# KiCad board ClockIOT.kicad_pcb (continued)
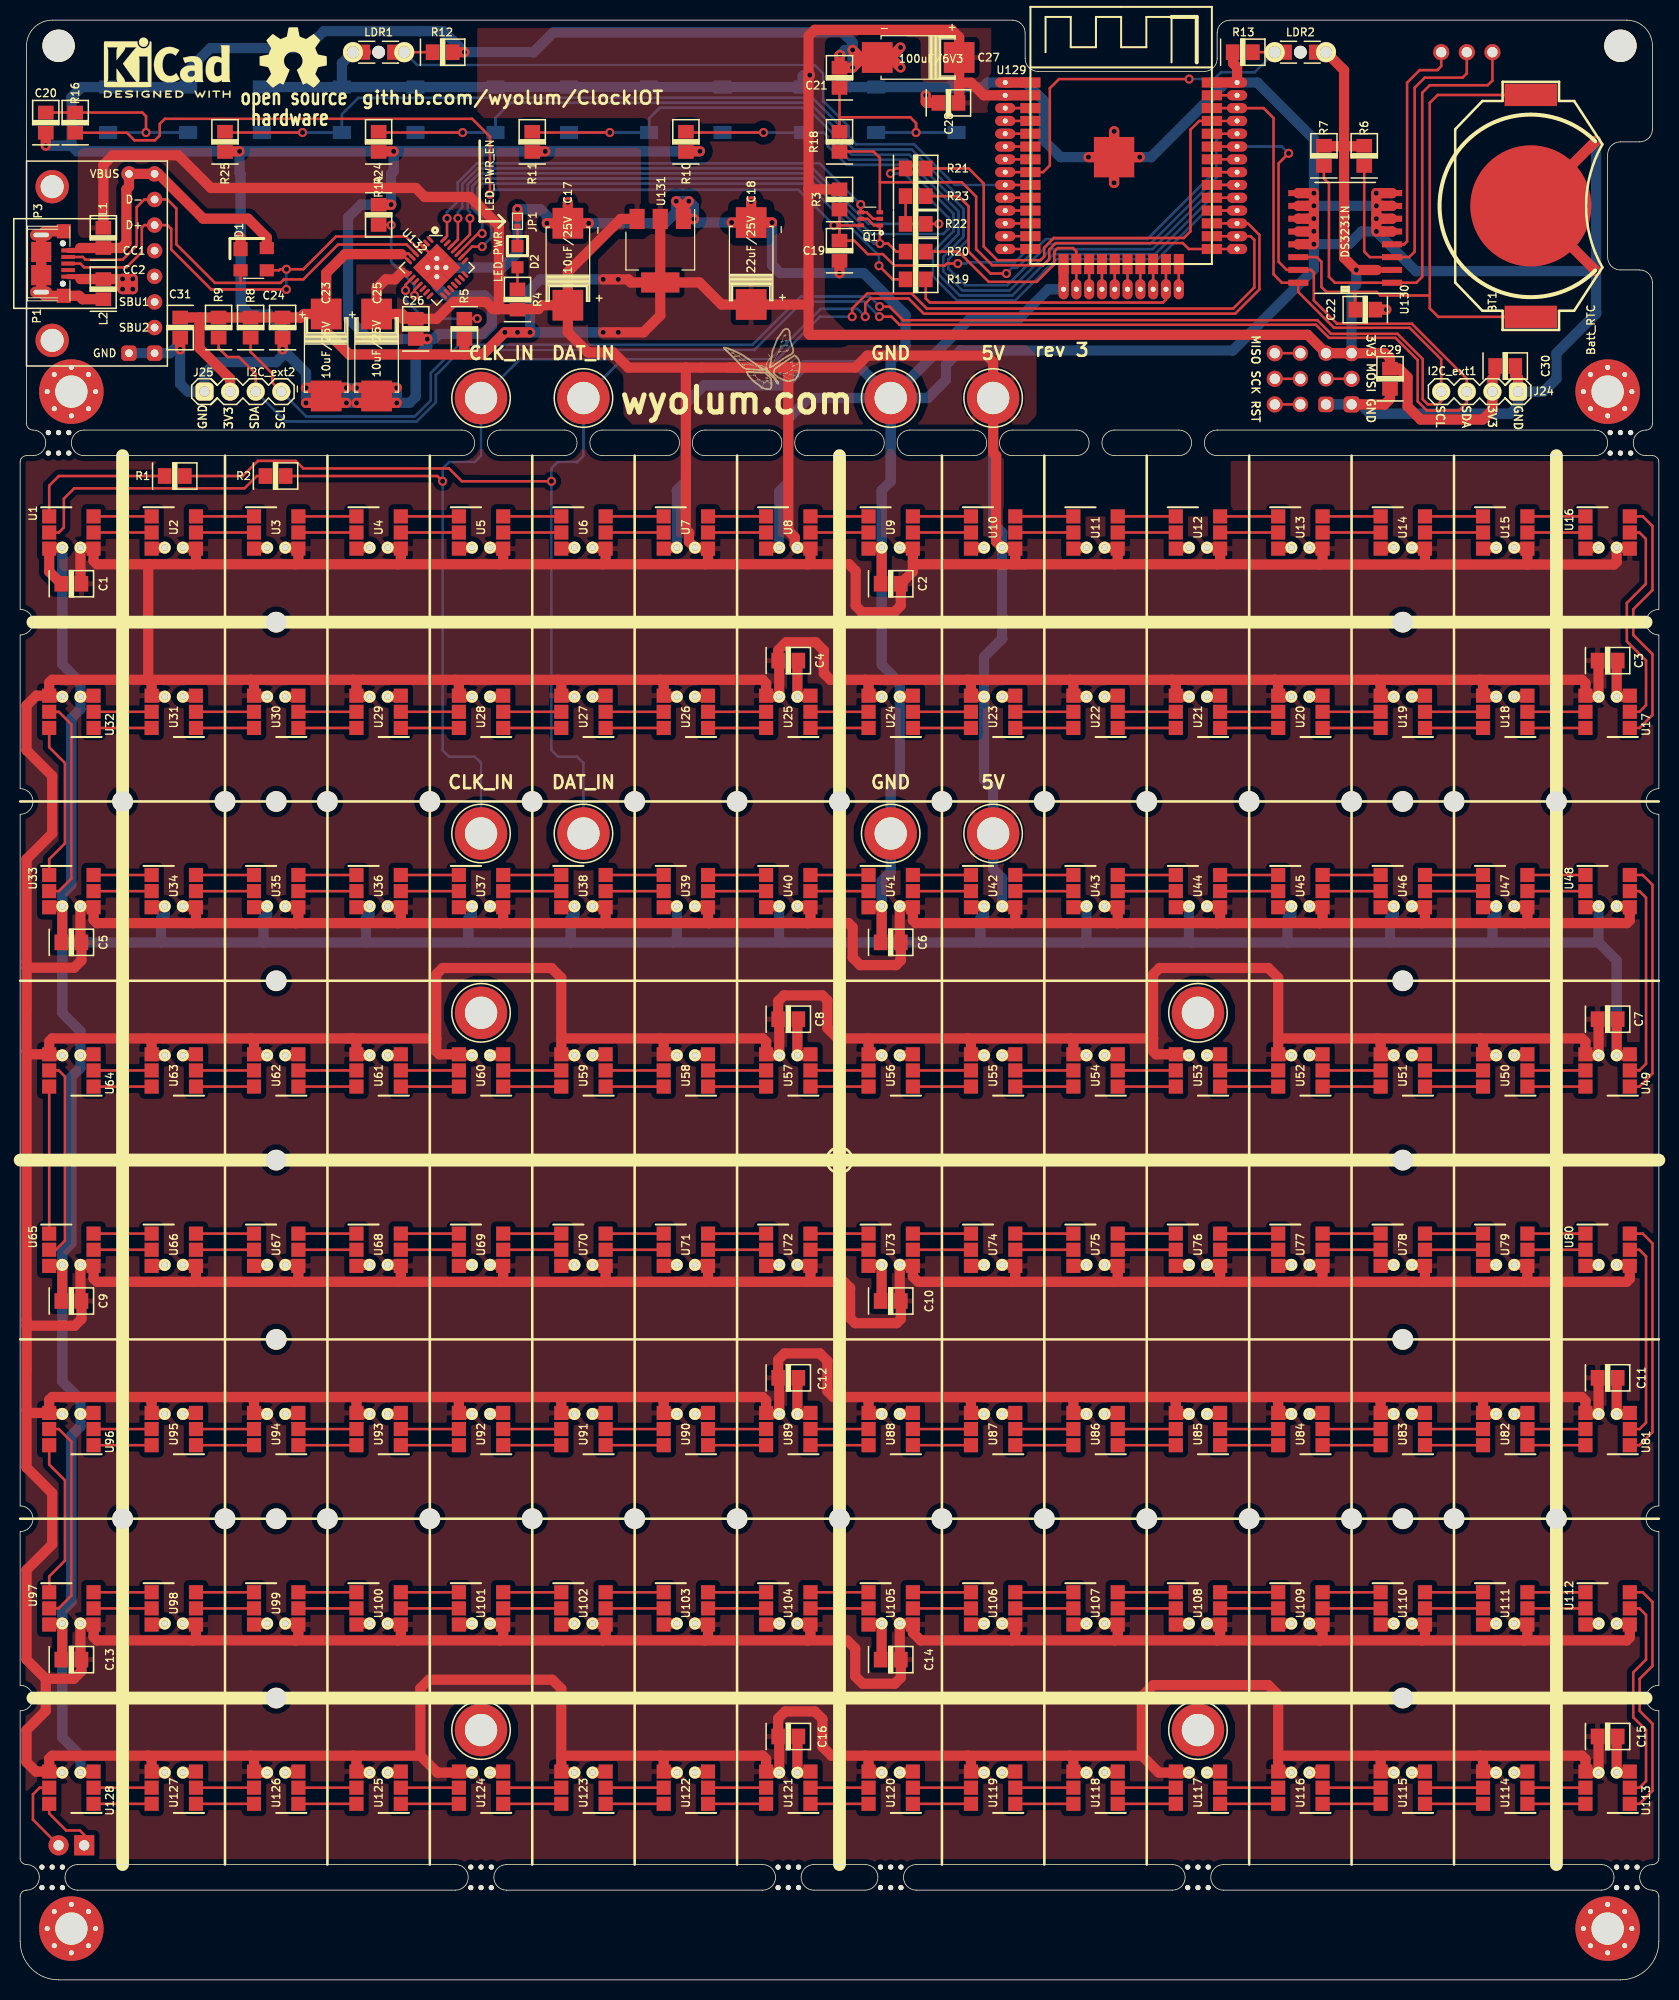
[diagram p0: board, top side]
## Routing (per net, layer and track width the routed paths; a pad name or vN(x,y) marks a point on that pad's centre or on a via; arc(x,y) is an arc through that point) (continued)
/CI_A: length 25.5
  Top w0.254: U1.2 3.83,143.51 4.34,144.01 4.34,146.86 5.37,147.89 22.26,147.89 23.48,149.11 24.38,149.11
/CI_B: length 21.8
  Top w0.254: U16.5 160.63,143.51 161.27,142.88 161.27,138.41 159.39,136.53 159.39,132.72 161.29,130.81 161.29,126.39 160.63,125.73 U17.2
/CI_C: length 20.7
  Top w0.254: U32.5 3.83,125.73 5.08,124.48 5.08,109.2 3.83,107.95 U33.2
/CI_D: length 20.2
  Top w0.254: U49.2 160.63,90.17 161.29,90.83 161.29,107.29 160.63,107.95 U48.5
/CI_E: length 20
  Top w0.254: U64.5 3.83,90.17 4.45,89.56 4.45,73.29 3.55,72.39 U65.2
/CI_F: length 20.2
  Top w0.254: U81.2 160.66,54.61 161.29,55.25 161.29,71.73 160.63,72.39 U80.5
/CI_G: length 20.7
  Top w0.254: U96.5 3.83,54.61 5.08,53.36 5.08,38.1 3.81,36.83 U97.2
/CI_H: length 21.3
  Top w0.254: U112.5 160.63,36.83 161.29,36.17 161.29,31.75 160.02,30.48 160.02,26.04 161.29,24.77 161.29,19.71 160.63,19.05 U113.2
/CLK: length 2.5
  Top w0.254: U129.20 U129.20
/CLK_IN: length 160.1
  Top w0.254: U129.27 U129.27 121.78,174.16 122.94,173.01 122.94,167.61 120.53,165.21 89.64,165.21 88.14,166.71 84.34,166.71 83.84,166.21 v1(83.84,164.91) ; v1(41.91,148.59) 41.39,149.11 26.29,149.11
  Bottom w0.254: v1(83.84,164.91) 83.06,165.69 79.42,165.69 74.44,160.71 49.59,160.71 J1.1 45.72,151.13 45.09,150.5 42.54,150.5 41.91,149.86 v1(41.91,148.59) 41.91,121.92 42.54,121.29 45.09,121.29 45.72,120.65 J9.1
/CLK_OUT: length 8
  Top w0.254: 3.81,13.34 1.27,15.88 1.27,18.39 1.93,19.05 U128.5
/CMD: length 2.5
  Top w0.254: U129.19 U129.19
/DAT_IN: length 167.8
  Top w0.254: v1(82.53,164.91) 82.53,165.71 84.03,167.21 88.44,167.21 89.94,165.71 120.34,165.71 122.44,167.81 122.44,172.51 122.06,172.89 U129.26 U129.26 ; 16.29,149.11 22.09,149.11 23.59,150.61 27.34,150.61 28.09,149.86 42.54,149.86 43.82,148.59 v1(52.71,148.59)
  Bottom w0.254: v1(82.53,164.91) 79.34,164.91 74.63,160.21 59.24,160.21 J2.1 55.88,151.13 55.24,150.5 53.34,150.5 52.71,149.86 v1(52.71,148.59) 52.71,121.92 53.34,121.29 55.24,121.29 55.88,120.65 J10.1
/DAT_OUT: length 6.3
  Top w0.254: P2.1 6.35,14.39 5.93,14.81 4.57,14.81 2.88,16.5 U128.6
/DI_A: length 14.9
  Top w0.254: U1.1 2.88,148.16 3.84,149.11 14.38,149.11
/DI_B: length 25.7
  Top w0.254: U16.6 160.96,145.11 161.93,144.15 161.93,137.8 160.02,135.89 160.02,133.35 161.93,131.44 161.93,125.42 160.63,124.13 U17.1
/DI_C: length 15.9
  Top w0.254: U32.6 2.88,122.22 4.45,120.65 4.45,112.69 2.88,111.12 U33.1
/DI_D: length 24.1
  Top w0.254: U49.1 160.63,88.57 161.93,89.86 161.93,108.59 160.96,109.55 U48.6
/DI_E: length 14.6
  Top w0.254: U64.6 U65.1
/DI_F: length 24.1
  Top w0.254: U81.1 160.63,53.01 161.93,54.3 161.93,73.03 160.96,73.99 U80.6
/DI_G: length 15.9
  Top w0.254: U96.6 2.88,51.1 4.45,49.53 4.45,41.57 2.88,40.01 U97.1
/DI_H: length 25.2
  Top w0.254: U112.6 160.96,38.43 161.93,37.47 161.93,31.12 160.66,29.85 160.66,26.67 161.93,25.4 161.93,18.74 160.63,17.45 U113.1
/DTR: length 51.6
  Top w0.254: U132.28 42.35,172.9 v1(42.35,174.65) ; Q1.2 84.61,174.61 83.96,175.26 Q1.4 v1(83.39,176.03)
  Bottom w0.254: v1(42.35,174.65) 42.35,175.29 43.41,176.35 43.41,178.23 45.29,180.11 79.31,180.11 v1(83.39,176.03)
/EN: length 130.3
  Top w0.254: 81.31,173.96 81.28,173.99 ; 81.31,173.96 Q1.6 ; 81.31,173.96 v1(80.74,173.96) ; 81.28,173.99 C19.1 82.75,172.45 84.09,171.11 85.59,171.11 86.71,169.99 91.74,169.99 91.93,170.18 v1(93.02,170.18) ; 81.28,173.99 81.28,175.58 ; U129.3 U129.3 ; R16.2 10.58,183.15 11.34,182.4 13.36,182.4 13.84,182.88 13.84,184.02 14.35,184.53 44.84,184.53 46.61,182.76 v1(46.61,177.04)
  Bottom w0.254: U129.3 99.61,185.59 100.34,184.86 100.34,171.96 98.68,170.31 93.98,170.31 93.85,170.18 v1(93.02,170.18) ; v1(46.61,177.04) 47.06,177.49 77.21,177.49 v1(80.74,173.96)
/esp_pwr_uart/ACTIVE: length 10.4
  Top w0.254: v1(36.8,173.99) 36.79,174.01 R14.1 ; v1(39.12,167) 39.12,167.55 U132.11
  Bottom w0.254: v1(39.12,167) 39.12,168.02 36.8,170.33 v1(36.8,173.99)
/esp_pwr_uart/CTS: length 56.4
  Top w0.254: v1(85.2,169.96) 86.55,168.61 R19.2 ; v1(45.84,171.86) 44.84,171.86 U132.23
  Bottom w0.254: v1(45.84,171.86) 46.71,172.74 46.71,174.65 45.34,176.02 45.34,177.65 45.8,178.11 78.03,178.11 85.2,170.95 v1(85.2,169.96)
/esp_pwr_uart/RSTb: length 11.6
  Top w0.254: v1(45.34,164.72) 44.09,164.72 R5.2 ; U132.9 38.23,168.08 v1(38.23,167.51)
  Bottom w0.254: v1(38.23,167.51) 38.23,166.57 40.08,164.72 v1(45.34,164.72)
/esp_pwr_uart/RTS: length 58.6
  Top w0.254: v1(45.82,173.16) 45.43,173.16 U132.24 ; Q1.5 84.06,174.61 84.71,173.96 Q1.1 v1(85.28,172.16) 86.11,172.16 86.91,171.36 R20.2
  Bottom w0.254: v1(45.82,173.16) 45.82,174.67 44.86,175.64 44.86,177.85 45.62,178.61 78.24,178.61 84.69,172.16 v1(85.28,172.16)
/esp_pwr_uart/RXD: length 68.5
  Top w0.254: v1(86.34,179.11) 86.84,179.61 R21.2 ; v1(44.62,174.65) 44.62,173.05 U132.25
  Bottom w0.254: v1(86.34,179.11) 87.72,179.11 92.09,174.74 92.09,173.61 91.59,173.11 84.44,173.11 78.44,179.11 45.52,179.11 44.4,177.99 44.4,175.5 44.62,175.29 v1(44.62,174.65)
/esp_pwr_uart/TXD: length 2.8
  Top w0.254: R23.2 R22.2
/esp_pwr_uart/USB_D+: length 47.9
  Top w0.254: v1(26.41,167.61) 18.95,167.61 14.99,171.58 14.99,173.61 14.6,173.99 P3.4 12.32,173.99 12.06,173.74 12.06,171.32 10.54,169.8 6.35,169.8 5.97,170.18 P1.3 ; U132.4 38.25,172.86 31.34,172.86 28.09,169.61 v1(26.41,169.61) 25.78,169.61 25.68,169.51 D1.3
  Bottom w0.254: v1(26.41,169.61) v1(26.41,167.61)
/esp_pwr_uart/USB_D-: length 48
  Top w0.254: 21.87,168.26 25.82,168.26 26.16,168.61 28.09,168.61 31.54,172.07 38.34,172.07 U132.5 ; 21.87,168.26 19.32,168.26 15.49,172.09 15.49,175.64 14.6,176.53 P3.3 12.32,176.53 11.56,175.77 11.56,171.96 10.16,170.56 6.48,170.56 6.21,170.83 P1.2 ; 21.87,168.26 D1.2
/IO0: length 53.3
  Top w0.254: Q1.3 85.28,178.24 ; 85.28,178.24 85.28,180.66 84.65,181.29 81.28,181.29 ; 85.28,178.24 93.42,178.24 94.84,176.82 94.84,171.61 96.44,170.01 101.49,170.01 102.09,170.61 102.09,171.56 102.74,172.21 115.34,172.21 115.93,171.62 U129.25 U129.25
/IO2: length 2.5
  Top w0.254: U129.24 U129.24
/IO12: length 2.5
  Top w0.254: U129.14 U129.14
/IO13: length 22.2
  Top w0.254: R20.1 93.09,171.36 96.09,168.36 100.84,168.36 102.59,170.11 102.59,171.36 102.94,171.71 104.45,171.71 104.78,171.38 U129.16 U129.16
/IO14: length 2.5
  Top w0.254: U129.13 U129.13
/IO15: length 29.5
  Top w0.254: U129.23 U129.23 113.67,166.61 113.37,166.31 90.24,166.31 89.84,166.71 R19.1
/IO23: length 2.5
  Top w0.254: U129.37 U129.37
/IO25: length 2.5
  Top w0.254: U129.10 U129.10
/IO26: length 2.5
  Top w0.254: U129.11 U129.11
/IO27: length 2.5
  Top w0.254: U129.12 U129.12
/IO34: length 2.5
  Top w0.254: U129.6 U129.6
/IO35: length 2.5
  Top w0.254: U129.7 U129.7
/LDR1: length 74.2
  Top w0.254: R12.2 LDR1.2 36.51,191.14 ; U129.9 U129.9
  Bottom w0.254: LDR1.2 39.38,189.86 78.84,189.86 79.66,189.04 79.66,186.29 82.17,183.78 82.17,182.78 82.95,181.99 88.7,181.99 92.72,177.97 U129.9
/LDR2: length 40
  Top w0.254: 122.24,191.14 LDR2.2 126.05,191.14 ; v1(115.97,188.47) 103.06,188.47 102.14,187.56 102.14,179.91 101.47,179.24 U129.8 U129.8
  Bottom w0.254: v1(115.97,188.47) 118.45,188.47 119.12,189.15 122.47,189.15 LDR2.2
/MISO: length 2.5
  Top w0.254: J17.1 J20.1
/MOSI: length 2.5
  Top w0.254: J21.1 J20.4
/NC: length 2.5
  Top w0.254: U129.32 U129.32
/RST: length 2.5
  Top w0.254: J22.1 J20.5
/rtc_ds3231/32kHz: length 49.5
  Top w0.254: TP3.1 146.05,188.33 145.59,187.86 139.84,187.86 139.09,187.11 139.09,168.86 138.5,168.28 U130.1 130.42,168.28 129.84,168.86 129.84,178.11 129.34,178.61 129.34,179.91
/rtc_ds3231/BAT: length 58.9
  Top w0.254: 132.44,167.36 C22.1 ; 132.44,167.36 129.59,167.36 129.09,167.86 129.09,170.36 128.63,170.81 U130.14 ; 132.44,167.36 134.59,167.36 134.94,167.01 139.84,167.01 ; BT1.1 140.62,186.9 139.84,186.11 139.84,167.01 ; 139.84,167.01 139.84,165.74 140.68,164.9 BT1.1
/rtc_ds3231/RESET: length 22.8
  Top w0.254: U130.4 137.31,172.09 137.59,172.36 137.59,188.11 138.84,189.36 140.59,189.36 140.97,189.75 TP1.1
/rtc_ds3231/SQR: length 38.1
  Top w0.254: 133.34,179.91 133.34,171.36 133.88,170.81 U130.3 137.79,170.81 138.34,171.36 138.34,187.61 139.34,188.61 143.09,188.61 143.51,189.04 TP2.1
/RXD0: length 46.7
  Top w0.254: v1(97.84,169.19) 96.25,169.19 94.09,171.36 94.09,175.86 93.09,176.86 R23.1 ; U129.34 U129.34
  Bottom w0.254: v1(97.84,169.19) 98.43,169.78 98.91,169.78 101.74,172.61 111.84,172.61 118.66,179.43 118.66,182.41 119.3,183.05 U129.34
/SCK: length 2.5
  Top w0.254: J19.1 J20.3
/SCL: length 182.9
  Top w0.254: v1(85.26,165.91) 85.26,165.91 86.24,165.91 87.58,164.56 128.68,164.56 130.03,163.21 136.64,163.21 139.14,160.71 139.14,156.71 139.64,156.21 140.64,156.21 140.97,156.55 J24.1 140.97,160.68 137.84,163.81 130.34,163.81 126.79,167.35 U130.16 125.17,168.28 124.34,169.11 124.34,184.61 123.36,185.59 U129.36 U129.36 ; R8.2 22.86,161.42 25.01,159.27 25.01,158.38 25.91,157.48
  Bottom w0.254: 25.91,157.48 28.38,155.01 39.13,155.01 40.74,156.61 40.74,159.31 43.54,162.11 72.63,162.11 77.44,166.91 84.26,166.91 v1(85.26,165.91)
/SD2: length 2.5
  Top w0.254: U129.17 U129.17
/SD3: length 2.5
  Top w0.254: U129.18 U129.18
/SDA: length 189.1
  Top w0.254: J25.2 23.37,159.25 21.71,160.91 20.57,160.91 19.68,161.8 R9.2 ; U129.33 U129.33 ; v1(85.24,164.91) 86.44,164.91 87.24,164.11 128.53,164.11 129.84,162.81 136.44,162.81 138.64,160.61 138.64,156.51 139.53,155.61 142.74,155.61 143.51,156.39 143.51,158.75 138.05,164.21 130.64,164.21 128.34,166.51 128.34,169.26 128.05,169.55 U130.15 125.65,169.55 124.84,170.36 124.84,180.11 v1(125.84,181.11)
  Bottom w0.254: J25.2 26.34,154.51 39.34,154.51 41.24,156.41 41.24,159.11 43.74,161.61 72.84,161.61 77.63,166.41 83.74,166.41 v1(85.24,164.91) ; v1(125.84,181.11) 125.17,181.78 U129.33
/SDI: length 2.5
  Top w0.254: U129.22 U129.22
/SDO: length 2.5
  Top w0.254: U129.21 U129.21
/SENSOR_VN: length 2.5
  Top w0.254: U129.5 U129.5
/SENSOR_VP: length 2.5
  Top w0.254: U129.4 U129.4
/SW_D: length 113.6
  Top w0.254: U129.30 U129.30 ; 43.87,183.2 v1(43.9,183.17) 35.63,183.17 R24.1
  Bottom w0.254: S5.2 v1(43.9,183.17) S5.4 47.15,184.63 48.63,186.11 78.34,186.11 81.15,183.29 81.15,182.29 82.47,180.98 88.22,180.98 93.59,175.61 93.59,172.86 91.57,170.84 91.57,169.42 93.47,167.51 98.17,167.51 102.27,171.61 112.34,171.61 118.7,177.97 U129.30
/SW_E: length 79
  Top w0.254: U129.28 U129.28 ; 73.72,183.2 v1(73.75,183.17) 66.12,183.17 R10.1
  Bottom w0.254: S1.2 v1(73.75,183.17) S1.4 79.72,183.17 80.14,182.75 80.14,181.81 81.99,179.96 87.74,179.96 92.59,175.11 92.59,173.36 90.55,171.33 90.55,168.91 92.95,166.51 98.69,166.51 102.79,170.61 112.84,170.61 117.66,175.43 U129.28
/SW_I: length 97.2
  Top w0.254: 58.47,183.2 v1(58.49,183.17) 50.88,183.17 R11.1 ; U129.29 U129.29
  Bottom w0.254: U129.29 118.18,176.7 112.59,171.11 102.53,171.11 98.43,167 93.22,167 91.06,169.16 91.06,171.08 93.09,173.11 93.09,175.36 87.98,180.47 82.23,180.47 80.65,182.05 80.65,183.05 78.09,185.61 63.43,185.61 62.4,184.57 S2.4 v1(58.49,183.17) S2.2
/SW_M: length 128.9
  Top w0.254: 27.99,183.2 v1(28.02,183.17) 20.4,183.17 R25.1 ; U129.31 U129.31
  Bottom w0.254: U129.31 119.22,179.24 112.09,172.11 102.01,172.11 97.92,168.02 93.73,168.02 92.08,169.67 92.08,170.6 94.09,172.61 94.09,175.86 88.46,181.48 82.71,181.48 81.66,182.53 81.66,183.53 78.59,186.61 33.54,186.61 31.91,184.99 S6.4 v1(28.02,183.17) S6.2
/TXD0: length 50.5
  Top w0.254: R21.1 94.09,179.61 95.59,178.11 95.59,171.86 96.94,170.51 101.24,170.51 101.59,170.86 101.59,171.76 102.53,172.71 115.44,172.71 116.09,173.37 116.09,183.45 116.97,184.32 U129.35 U129.35
Net-(C20-Pad1): length 19.7
  Top w0.254: C20.1 R16.1 12.12,185.15 12.48,184.79 v1(12.48,183.17) 12.46,183.2
  Bottom w0.254: S3.2 v1(12.48,183.17) S3.4
Net-(C21-Pad2): length 21.1
  Top w0.254: 81.28,183.2 81.28,184.68 ; 81.28,184.68 88.3,184.68 88.88,184.1 v1(88.88,183.17) ; 81.28,184.68 C21.2
  Bottom w0.254: S4.2 v1(88.88,183.17) S4.4
Net-(D2-Pad1): length 2.2
  Top w0.254: D2.1 49.34,167.56
Net-(D2-Pad2): length 2
  Top w0.254: JP1.2 D2.2
Net-(L2-Pad2): length 14.5
  Top w1.016: P1.6 2.45,173.38 P1.6 P1.6 P1.6 P1.6 2.45,166.98 P1.6 5.85,166.98 6.19,166.64 L2.2
Net-(R22-Pad1): length 58.2
  Top w0.254: v1(91.14,174.11) 89.79,174.11 ; U132.26 43.43,172.57 v1(43.43,174.66)
  Bottom w0.254: v1(91.14,174.11) 84.14,174.11 78.64,179.61 45.39,179.61 43.84,178.06 43.84,175.71 43.43,175.3 v1(43.43,174.66)
Net-(U1-Pad5): length 5.8
  Top w0.254: U1.5 U2.2
Net-(U1-Pad6): length 5.8
  Top w0.254: U1.6 U2.1
Net-(U2-Pad5): length 5.8
  Top w0.254: U2.5 U3.2
Net-(U2-Pad6): length 5.8
  Top w0.254: U2.6 U3.1
Net-(U3-Pad5): length 5.8
  Top w0.254: U3.5 U4.2
Net-(U3-Pad6): length 5.8
  Top w0.254: U3.6 U4.1
Net-(U4-Pad5): length 5.8
  Top w0.254: U4.5 U5.2
Net-(U4-Pad6): length 5.8
  Top w0.254: U4.6 U5.1
Net-(U5-Pad5): length 5.8
  Top w0.254: 47.92,143.51 U6.2
Net-(U5-Pad6): length 5.8
  Top w0.254: 47.92,145.11 U6.1
Net-(U6-Pad5): length 5.8
  Top w0.254: U6.5 U7.2
Net-(U6-Pad6): length 5.8
  Top w0.254: U6.6 U7.1
Net-(U7-Pad5): length 5.8
  Top w0.254: U7.5 U8.2
Net-(U7-Pad6): length 5.8
  Top w0.254: U7.6 U8.1
Net-(U8-Pad5): length 5.8
  Top w0.254: U8.5 84.16,143.51
Net-(U8-Pad6): length 5.8
  Top w0.254: U8.6 84.16,145.11
Net-(U10-Pad1): length 5.8
  Top w0.254: U9.6 U10.1
Net-(U10-Pad2): length 5.8
  Top w0.254: U9.5 U10.2
Net-(U10-Pad5): length 5.8
  Top w0.254: U10.5 U11.2
Net-(U10-Pad6): length 5.8
  Top w0.254: U10.6 U11.1
Net-(U11-Pad5): length 5.8
  Top w0.254: U11.5 U12.2
Net-(U11-Pad6): length 5.8
  Top w0.254: U11.6 U12.1
Net-(U12-Pad5): length 5.8
  Top w0.254: U12.5 U13.2
Net-(U12-Pad6): length 5.8
  Top w0.254: U12.6 U13.1
Net-(U13-Pad5): length 5.8
  Top w0.254: U13.5 U14.2
Net-(U13-Pad6): length 5.8
  Top w0.254: U13.6 U14.1
Net-(U14-Pad5): length 5.8
  Top w0.254: U14.5 145.12,143.51
Net-(U14-Pad6): length 5.8
  Top w0.254: U14.6 145.12,145.11
Net-(U15-Pad5): length 5.8
  Top w0.254: U15.5 155.28,143.51
Net-(U15-Pad6): length 5.8
  Top w0.254: U15.6 155.28,145.11
Net-(U17-Pad5): length 5.8
  Top w0.254: U18.2 155.28,125.73
Net-(U17-Pad6): length 5.8
  Top w0.254: 155.28,124.13 U18.1
Net-(U18-Pad5): length 5.8
  Top w0.254: U19.2 145.12,125.73
Net-(U18-Pad6): length 5.8
  Top w0.254: 145.12,124.13 U19.1
Net-(U19-Pad5): length 5.8
  Top w0.254: U20.2 U19.5
Net-(U19-Pad6): length 5.8
  Top w0.254: U19.6 U20.1
Net-(U20-Pad5): length 5.8
  Top w0.254: U21.2 U20.5
Net-(U20-Pad6): length 5.8
  Top w0.254: U20.6 U21.1
Net-(U21-Pad5): length 5.8
  Top w0.254: U22.2 U21.5
Net-(U21-Pad6): length 5.8
  Top w0.254: U21.6 U22.1
Net-(U22-Pad5): length 5.8
  Top w0.254: U23.2 U22.5
Net-(U22-Pad6): length 5.8
  Top w0.254: U22.6 U23.1
Net-(U23-Pad5): length 5.8
  Top w0.254: U24.2 U23.5
Net-(U23-Pad6): length 5.8
  Top w0.254: U23.6 U24.1
Net-(U24-Pad5): length 5.8
  Top w0.254: U25.2 84.16,125.73
Net-(U24-Pad6): length 5.8
  Top w0.254: 84.16,124.13 U25.1
Net-(U25-Pad5): length 5.8
  Top w0.254: U26.2 U25.5
Net-(U25-Pad6): length 5.8
  Top w0.254: U25.6 U26.1
Net-(U26-Pad5): length 5.8
  Top w0.254: U27.2 U26.5
Net-(U26-Pad6): length 5.8
  Top w0.254: U26.6 U27.1
Net-(U27-Pad5): length 5.8
  Top w0.254: 47.92,125.73 U27.5
Net-(U27-Pad6): length 5.8
  Top w0.254: U27.6 47.92,124.13
Net-(U28-Pad5): length 5.8
  Top w0.254: U29.2 U28.5
Net-(U28-Pad6): length 5.8
  Top w0.254: U28.6 U29.1
Net-(U29-Pad5): length 5.8
  Top w0.254: U30.2 U29.5
Net-(U29-Pad6): length 5.8
  Top w0.254: U29.6 U30.1
Net-(U30-Pad5): length 5.8
  Top w0.254: U31.2 U30.5
Net-(U30-Pad6): length 5.8
  Top w0.254: U30.6 U31.1
Net-(U31-Pad5): length 5.8
  Top w0.254: U32.2 U31.5
Net-(U31-Pad6): length 5.8
  Top w0.254: U31.6 U32.1
Net-(U33-Pad5): length 5.8
  Top w0.254: U33.5 U34.2
Net-(U33-Pad6): length 5.8
  Top w0.254: U33.6 U34.1
Net-(U34-Pad5): length 5.8
  Top w0.254: U35.2 U34.5
Net-(U34-Pad6): length 5.8
  Top w0.254: U34.6 U35.1
Net-(U35-Pad5): length 5.8
  Top w0.254: U36.2 U35.5
Net-(U35-Pad6): length 5.8
  Top w0.254: U35.6 U36.1
Net-(U36-Pad5): length 5.8
  Top w0.254: U36.5 U37.2
Net-(U36-Pad6): length 5.8
  Top w0.254: U36.6 U37.1
Net-(U37-Pad5): length 5.8
  Top w0.254: U38.2 47.92,107.95
Net-(U37-Pad6): length 5.8
  Top w0.254: 47.92,109.55 U38.1
Net-(U38-Pad5): length 5.8
  Top w0.254: U39.2 U38.5
Net-(U38-Pad6): length 5.8
  Top w0.254: U38.6 U39.1
Net-(U39-Pad5): length 5.8
  Top w0.254: U40.2 U39.5
Net-(U39-Pad6): length 5.8
  Top w0.254: U39.6 U40.1
Net-(U40-Pad5): length 5.8
  Top w0.254: 84.16,107.95 U40.5
Net-(U40-Pad6): length 5.8
  Top w0.254: U40.6 84.16,109.55
Net-(U41-Pad5): length 5.8
  Top w0.254: U42.2 U41.5
Net-(U41-Pad6): length 5.8
  Top w0.254: U41.6 U42.1
Net-(U42-Pad5): length 5.8
  Top w0.254: U43.2 U42.5
Net-(U42-Pad6): length 5.8
  Top w0.254: U42.6 U43.1
Net-(U43-Pad5): length 5.8
  Top w0.254: U44.2 U43.5
Net-(U43-Pad6): length 5.8
  Top w0.254: U43.6 U44.1
Net-(U44-Pad5): length 5.8
  Top w0.254: U44.5 U45.2
Net-(U44-Pad6): length 5.8
  Top w0.254: U44.6 U45.1
Net-(U45-Pad5): length 5.8
  Top w0.254: U46.2 U45.5
Net-(U45-Pad6): length 5.8
  Top w0.254: U45.6 U46.1
Net-(U46-Pad5): length 5.8
  Top w0.254: 145.12,107.95 U46.5
Net-(U46-Pad6): length 5.8
  Top w0.254: U46.6 145.12,109.55
Net-(U47-Pad5): length 5.8
  Top w0.254: 155.28,107.95 U47.5
Net-(U47-Pad6): length 5.8
  Top w0.254: U47.6 155.28,109.55
Net-(U49-Pad5): length 5.8
  Top w0.254: U50.2 155.28,90.17
Net-(U49-Pad6): length 5.8
  Top w0.254: 155.28,88.57 U50.1
Net-(U50-Pad5): length 5.8
  Top w0.254: U51.2 145.12,90.17
Net-(U50-Pad6): length 5.8
  Top w0.254: 145.12,88.57 U51.1
Net-(U51-Pad5): length 5.8
  Top w0.254: U52.2 U51.5
Net-(U51-Pad6): length 5.8
  Top w0.254: U51.6 U52.1
Net-(U52-Pad5): length 5.8
  Top w0.254: U53.2 U52.5
Net-(U52-Pad6): length 5.8
  Top w0.254: U52.6 U53.1
Net-(U53-Pad5): length 5.8
  Top w0.254: U54.2 U53.5
Net-(U53-Pad6): length 5.8
  Top w0.254: U53.6 U54.1
Net-(U54-Pad5): length 5.8
  Top w0.254: U55.2 U54.5
Net-(U54-Pad6): length 5.8
  Top w0.254: U54.6 U55.1
Net-(U55-Pad5): length 5.8
  Top w0.254: U56.2 U55.5
Net-(U55-Pad6): length 5.8
  Top w0.254: U55.6 U56.1
Net-(U56-Pad5): length 5.8
  Top w0.254: U57.2 84.16,90.17
Net-(U56-Pad6): length 5.8
  Top w0.254: 84.16,88.57 U57.1
Net-(U57-Pad5): length 5.8
  Top w0.254: U58.2 U57.5
Net-(U57-Pad6): length 5.8
  Top w0.254: U57.6 U58.1
Net-(U58-Pad5): length 5.8
  Top w0.254: U59.2 U58.5
Net-(U58-Pad6): length 5.8
  Top w0.254: U58.6 U59.1
Net-(U59-Pad5): length 5.8
  Top w0.254: 47.92,90.17 U59.5
Net-(U59-Pad6): length 5.8
  Top w0.254: U59.6 47.92,88.57
Net-(U60-Pad5): length 5.8
  Top w0.254: U61.2 U60.5
Net-(U60-Pad6): length 5.8
  Top w0.254: U60.6 U61.1
Net-(U61-Pad5): length 5.8
  Top w0.254: U62.2 U61.5
Net-(U61-Pad6): length 5.8
  Top w0.254: U61.6 U62.1
Net-(U62-Pad5): length 5.8
  Top w0.254: U63.2 U62.5
Net-(U62-Pad6): length 5.8
  Top w0.254: U62.6 U63.1
Net-(U63-Pad5): length 5.8
  Top w0.254: U64.2 U63.5
Net-(U63-Pad6): length 5.8
  Top w0.254: U63.6 U64.1
Net-(U65-Pad5): length 5.8
  Top w0.254: U66.2 U65.5
Net-(U65-Pad6): length 5.8
  Top w0.254: U65.6 U66.1
Net-(U66-Pad5): length 5.8
  Top w0.254: U67.2 U66.5
Net-(U66-Pad6): length 5.8
  Top w0.254: U66.6 U67.1
Net-(U67-Pad5): length 5.8
  Top w0.254: U68.2 U67.5
Net-(U67-Pad6): length 5.8
  Top w0.254: U67.6 U68.1
Net-(U68-Pad5): length 5.8
  Top w0.254: U69.2 U68.5
Net-(U68-Pad6): length 5.8
  Top w0.254: U68.6 U69.1
Net-(U69-Pad5): length 5.8
  Top w0.254: U70.2 47.92,72.39
Net-(U69-Pad6): length 5.8
  Top w0.254: 47.92,73.99 U70.1
Net-(U70-Pad5): length 5.8
  Top w0.254: U71.2 U70.5
Net-(U70-Pad6): length 5.8
  Top w0.254: U70.6 U71.1
Net-(U71-Pad5): length 5.8
  Top w0.254: U72.2 U71.5
Net-(U71-Pad6): length 5.8
  Top w0.254: U71.6 U72.1
Net-(U72-Pad5): length 5.8
  Top w0.254: 84.16,72.39 U72.5
Net-(U72-Pad6): length 5.8
  Top w0.254: U72.6 84.16,73.99
Net-(U73-Pad5): length 5.8
  Top w0.254: U74.2 U73.5
Net-(U73-Pad6): length 5.8
  Top w0.254: U73.6 U74.1
Net-(U74-Pad5): length 5.8
  Top w0.254: U75.2 U74.5
Net-(U74-Pad6): length 5.8
  Top w0.254: U74.6 U75.1
Net-(U75-Pad5): length 5.8
  Top w0.254: U76.2 U75.5
Net-(U75-Pad6): length 5.8
  Top w0.254: U75.6 U76.1
Net-(U76-Pad5): length 5.8
  Top w0.254: U77.2 U76.5
Net-(U76-Pad6): length 5.8
  Top w0.254: U76.6 U77.1
Net-(U77-Pad5): length 5.8
  Top w0.254: U78.2 U77.5
Net-(U77-Pad6): length 5.8
  Top w0.254: U77.6 U78.1
Net-(U78-Pad5): length 5.8
  Top w0.254: 145.12,72.39 U78.5
Net-(U78-Pad6): length 5.8
  Top w0.254: U78.6 145.12,73.99
Net-(U79-Pad5): length 5.8
  Top w0.254: 155.28,72.39 U79.5
Net-(U79-Pad6): length 5.8
  Top w0.254: U79.6 155.28,73.99
Net-(U81-Pad5): length 5.8
  Top w0.254: U82.2 155.28,54.61
Net-(U81-Pad6): length 5.8
  Top w0.254: 155.28,53.01 U82.1
Net-(U82-Pad5): length 5.8
  Top w0.254: U83.2 145.12,54.61
Net-(U82-Pad6): length 5.8
  Top w0.254: 145.12,53.01 U83.1
Net-(U83-Pad5): length 5.8
  Top w0.254: U84.2 U83.5
Net-(U83-Pad6): length 5.8
  Top w0.254: U83.6 U84.1
Net-(U84-Pad5): length 5.8
  Top w0.254: U85.2 U84.5
Net-(U84-Pad6): length 5.8
  Top w0.254: U84.6 U85.1
Net-(U85-Pad5): length 5.8
  Top w0.254: U86.2 U85.5
Net-(U85-Pad6): length 5.8
  Top w0.254: U85.6 U86.1
Net-(U86-Pad5): length 5.8
  Top w0.254: U87.2 U86.5
Net-(U86-Pad6): length 5.8
  Top w0.254: U86.6 U87.1
Net-(U87-Pad5): length 5.8
  Top w0.254: U88.2 U87.5
Net-(U87-Pad6): length 5.8
  Top w0.254: U87.6 U88.1
Net-(U88-Pad5): length 5.8
  Top w0.254: U89.2 84.16,54.61
Net-(U88-Pad6): length 5.8
  Top w0.254: 84.16,53.01 U89.1
Net-(U89-Pad5): length 5.8
  Top w0.254: U90.2 U89.5
Net-(U89-Pad6): length 5.8
  Top w0.254: U89.6 U90.1
Net-(U90-Pad5): length 5.8
  Top w0.254: U91.2 U90.5
Net-(U90-Pad6): length 5.8
  Top w0.254: U90.6 U91.1
Net-(U91-Pad5): length 5.8
  Top w0.254: 47.92,54.61 U91.5
Net-(U91-Pad6): length 5.8
  Top w0.254: U91.6 47.92,53.01
Net-(U92-Pad5): length 5.8
  Top w0.254: U93.2 U92.5
Net-(U92-Pad6): length 5.8
  Top w0.254: U92.6 U93.1
Net-(U93-Pad5): length 5.8
  Top w0.254: U94.2 U93.5
Net-(U93-Pad6): length 5.8
  Top w0.254: U93.6 U94.1
Net-(U94-Pad5): length 5.8
  Top w0.254: U95.2 U94.5
Net-(U94-Pad6): length 5.8
  Top w0.254: U94.6 U95.1
Net-(U95-Pad5): length 5.8
  Top w0.254: U96.2 U95.5
Net-(U95-Pad6): length 5.8
  Top w0.254: U95.6 U96.1
Net-(U97-Pad5): length 5.8
  Top w0.254: U98.2 U97.5
Net-(U97-Pad6): length 5.8
  Top w0.254: U97.6 U98.1
Net-(U98-Pad5): length 5.8
  Top w0.254: U99.2 U98.5
Net-(U98-Pad6): length 5.8
  Top w0.254: U98.6 U99.1
Net-(U100-Pad1): length 5.8
  Top w0.254: U99.6 U100.1
Net-(U100-Pad2): length 5.8
  Top w0.254: U100.2 U99.5
Net-(U100-Pad5): length 5.8
  Top w0.254: U101.2 U100.5
Net-(U100-Pad6): length 5.8
  Top w0.254: U100.6 U101.1
Net-(U101-Pad5): length 5.8
  Top w0.254: U102.2 47.92,36.83
Net-(U101-Pad6): length 5.8
  Top w0.254: 47.92,38.43 U102.1
Net-(U102-Pad5): length 5.8
  Top w0.254: U103.2 U102.5
Net-(U102-Pad6): length 5.8
  Top w0.254: U102.6 U103.1
Net-(U103-Pad5): length 5.8
  Top w0.254: U103.5 U104.2
Net-(U103-Pad6): length 5.8
  Top w0.254: U103.6 U104.1
Net-(U104-Pad5): length 5.8
  Top w0.254: 84.16,36.83 U104.5
Net-(U104-Pad6): length 5.8
  Top w0.254: U104.6 84.16,38.43
Net-(U105-Pad5): length 5.8
  Top w0.254: U106.2 U105.5
Net-(U105-Pad6): length 5.8
  Top w0.254: U105.6 U106.1
Net-(U106-Pad5): length 5.8
  Top w0.254: U107.2 U106.5
Net-(U106-Pad6): length 5.8
  Top w0.254: U106.6 U107.1
Net-(U107-Pad5): length 5.8
  Top w0.254: U108.2 U107.5
Net-(U107-Pad6): length 5.8
  Top w0.254: U107.6 U108.1
Net-(U108-Pad5): length 5.8
  Top w0.254: U109.2 U108.5
Net-(U108-Pad6): length 5.8
  Top w0.254: U108.6 U109.1
Net-(U109-Pad5): length 5.8
  Top w0.254: U110.2 U109.5
Net-(U109-Pad6): length 5.8
  Top w0.254: U109.6 U110.1
Net-(U110-Pad5): length 5.8
  Top w0.254: 145.12,36.83 U110.5
Net-(U110-Pad6): length 5.8
  Top w0.254: U110.6 145.12,38.43
Net-(U111-Pad5): length 5.8
  Top w0.254: 155.28,36.83 U111.5
Net-(U111-Pad6): length 5.8
  Top w0.254: U111.6 155.28,38.43
Net-(U113-Pad5): length 5.8
  Top w0.254: U114.2 155.28,19.05
Net-(U113-Pad6): length 5.8
  Top w0.254: 155.28,17.45 U114.1
Net-(U114-Pad5): length 5.8
  Top w0.254: U115.2 145.12,19.05
Net-(U114-Pad6): length 5.8
  Top w0.254: 145.12,17.45 U115.1
Net-(U115-Pad5): length 5.8
  Top w0.254: U116.2 U115.5
Net-(U115-Pad6): length 5.8
  Top w0.254: U115.6 U116.1
Net-(U116-Pad5): length 5.8
  Top w0.254: U117.2 U116.5
Net-(U116-Pad6): length 5.8
  Top w0.254: U116.6 U117.1
Net-(U117-Pad5): length 5.8
  Top w0.254: U118.2 U117.5
Net-(U117-Pad6): length 5.8
  Top w0.254: U117.6 U118.1
Net-(U118-Pad5): length 5.8
  Top w0.254: U119.2 U118.5
Net-(U118-Pad6): length 5.8
  Top w0.254: U118.6 U119.1
Net-(U119-Pad5): length 5.8
  Top w0.254: U120.2 U119.5
Net-(U119-Pad6): length 5.8
  Top w0.254: U119.6 U120.1
Net-(U120-Pad5): length 5.8
  Top w0.254: U121.2 84.16,19.05
Net-(U120-Pad6): length 5.8
  Top w0.254: 84.16,17.45 U121.1
Net-(U121-Pad5): length 5.8
  Top w0.254: U122.2 U121.5
Net-(U121-Pad6): length 5.8
  Top w0.254: U121.6 U122.1
Net-(U122-Pad5): length 5.8
  Top w0.254: U123.2 U122.5
Net-(U122-Pad6): length 5.8
  Top w0.254: U122.6 U123.1
Net-(U123-Pad5): length 5.8
  Top w0.254: 47.92,19.05 U123.5
Net-(U123-Pad6): length 5.8
  Top w0.254: U123.6 47.92,17.45
Net-(U124-Pad5): length 5.8
  Top w0.254: U125.2 U124.5
Net-(U124-Pad6): length 5.8
  Top w0.254: U124.6 U125.1
Net-(U125-Pad5): length 5.8
  Top w0.254: U126.2 U125.5
Net-(U125-Pad6): length 5.8
  Top w0.254: U125.6 U126.1
Net-(U126-Pad5): length 5.8
  Top w0.254: U127.2 U126.5
Net-(U126-Pad6): length 5.8
  Top w0.254: U126.6 U127.1
Net-(U127-Pad5): length 5.8
  Top w0.254: U128.2 U127.5
Net-(U127-Pad6): length 5.8
  Top w0.254: U127.6 U128.1

## Copper pours and planes (outline as drawn; the poured copper is in the pictures)
/3V3 on Top: 45.34,184.61 62.34,184.61 62.34,172.61 59.09,172.61 57.34,170.86 57.34,162.61 82.84,162.61 79.84,165.61 79.84,192.61 89.34,192.61 89.34,188.11 92.34,188.11 92.34,185.11 96.34,185.11 96.34,195.11 45.34,195.11
/5V on Top: 61.34,153.61 59.84,155.11 59.84,159.11 58.34,160.61 33.34,160.61 33.34,172.61 5.72,172.72 5.72,181.61 61.84,181.61 61.84,173.61 59.21,173.5 56.34,170.61 56.34,162.11 99.84,162.11 100.84,161.11 100.84,155.11 99.34,153.61
/5V on Top: -1.27,151.77 163.83,151.77 163.83,-0.63 -1.27,-0.63
GND on Bottom: -0.63,151.77 163.2,151.77 163.2,-0.63 -0.63,-0.63
GND on Bottom: -0.66,153.61 -0.66,194.36 99.34,194.36 99.34,188.86 119.09,188.86 119.09,194.36 162.34,194.36 162.34,153.61

Small or netless copper shapes (teardrops, artwork), in the pictures only: 1 on Top

## Text on the board
B.Adhes: EN | MODE | DEC | INC | ENTER | WyoLum Clocks : Worduino > ClockTWO > ClockTHREE > ClockTHREEjr > ClockFOUR > Chromogram > ClockIOT | BOOT | ClockIOT
B.Mask: EN | MODE | DEC | INC | ENTER | WyoLum Clocks : Worduino > ClockTWO > ClockTHREE > ClockTHREEjr > ClockFOUR > Chromogram > ClockIOT | BOOT | ClockIOT
B.SilkS: NC | IO0 | GND | SW_I | IO23 | TXD0 | SW_E | RXD0 | SW_D | SW_M | DAT_IN | CLK_IN | IO22/SCL | IO21/SDA | CONNECT MOAR / LEDS HERE | DAT|CLK | SENSOR_VP | SENSOR_VN | LDR1 | LDR2 | IO34 | IO35 | IO25 | IO26 | IO27 | IO14 | IO12 | 3V3 | EN | GND / 3V3 / SDA / SCL | IO2 | IO15 | SDI | SDO | CLK | CMD | SD3 | SD2 | IO13 | open source | hardware | To avoid damaging tracks, do not snap off. / Use hacksaw to separate boards if required. | CONTROLLER section can be cut off and / mounted behind LED MATRIX using metal / posts at 5V | GND | DAT_IN | CLK_IN | 5V | CONTROLLER | LED MATRIX | github.com/wyolum/ClockIOT | rev 3 | wyolum.com
F.Adhes: ClockIOT
F.Mask: ClockIOT
F.SilkS: VBUS | GND | D- | D+ | CC1 | CC2 | SBU1 | SBU2 | GND / 3V3 / SDA / SCL | MISO SCK RST | 3V3 MOSI GND | hardware | open source | CLK_IN | DAT_IN | 5V | github.com/wyolum/ClockIOT | rev 3 | wyolum.com
